# KiCad board PCA20073_nRF54L15_Tiny_Board.kicad_pcb
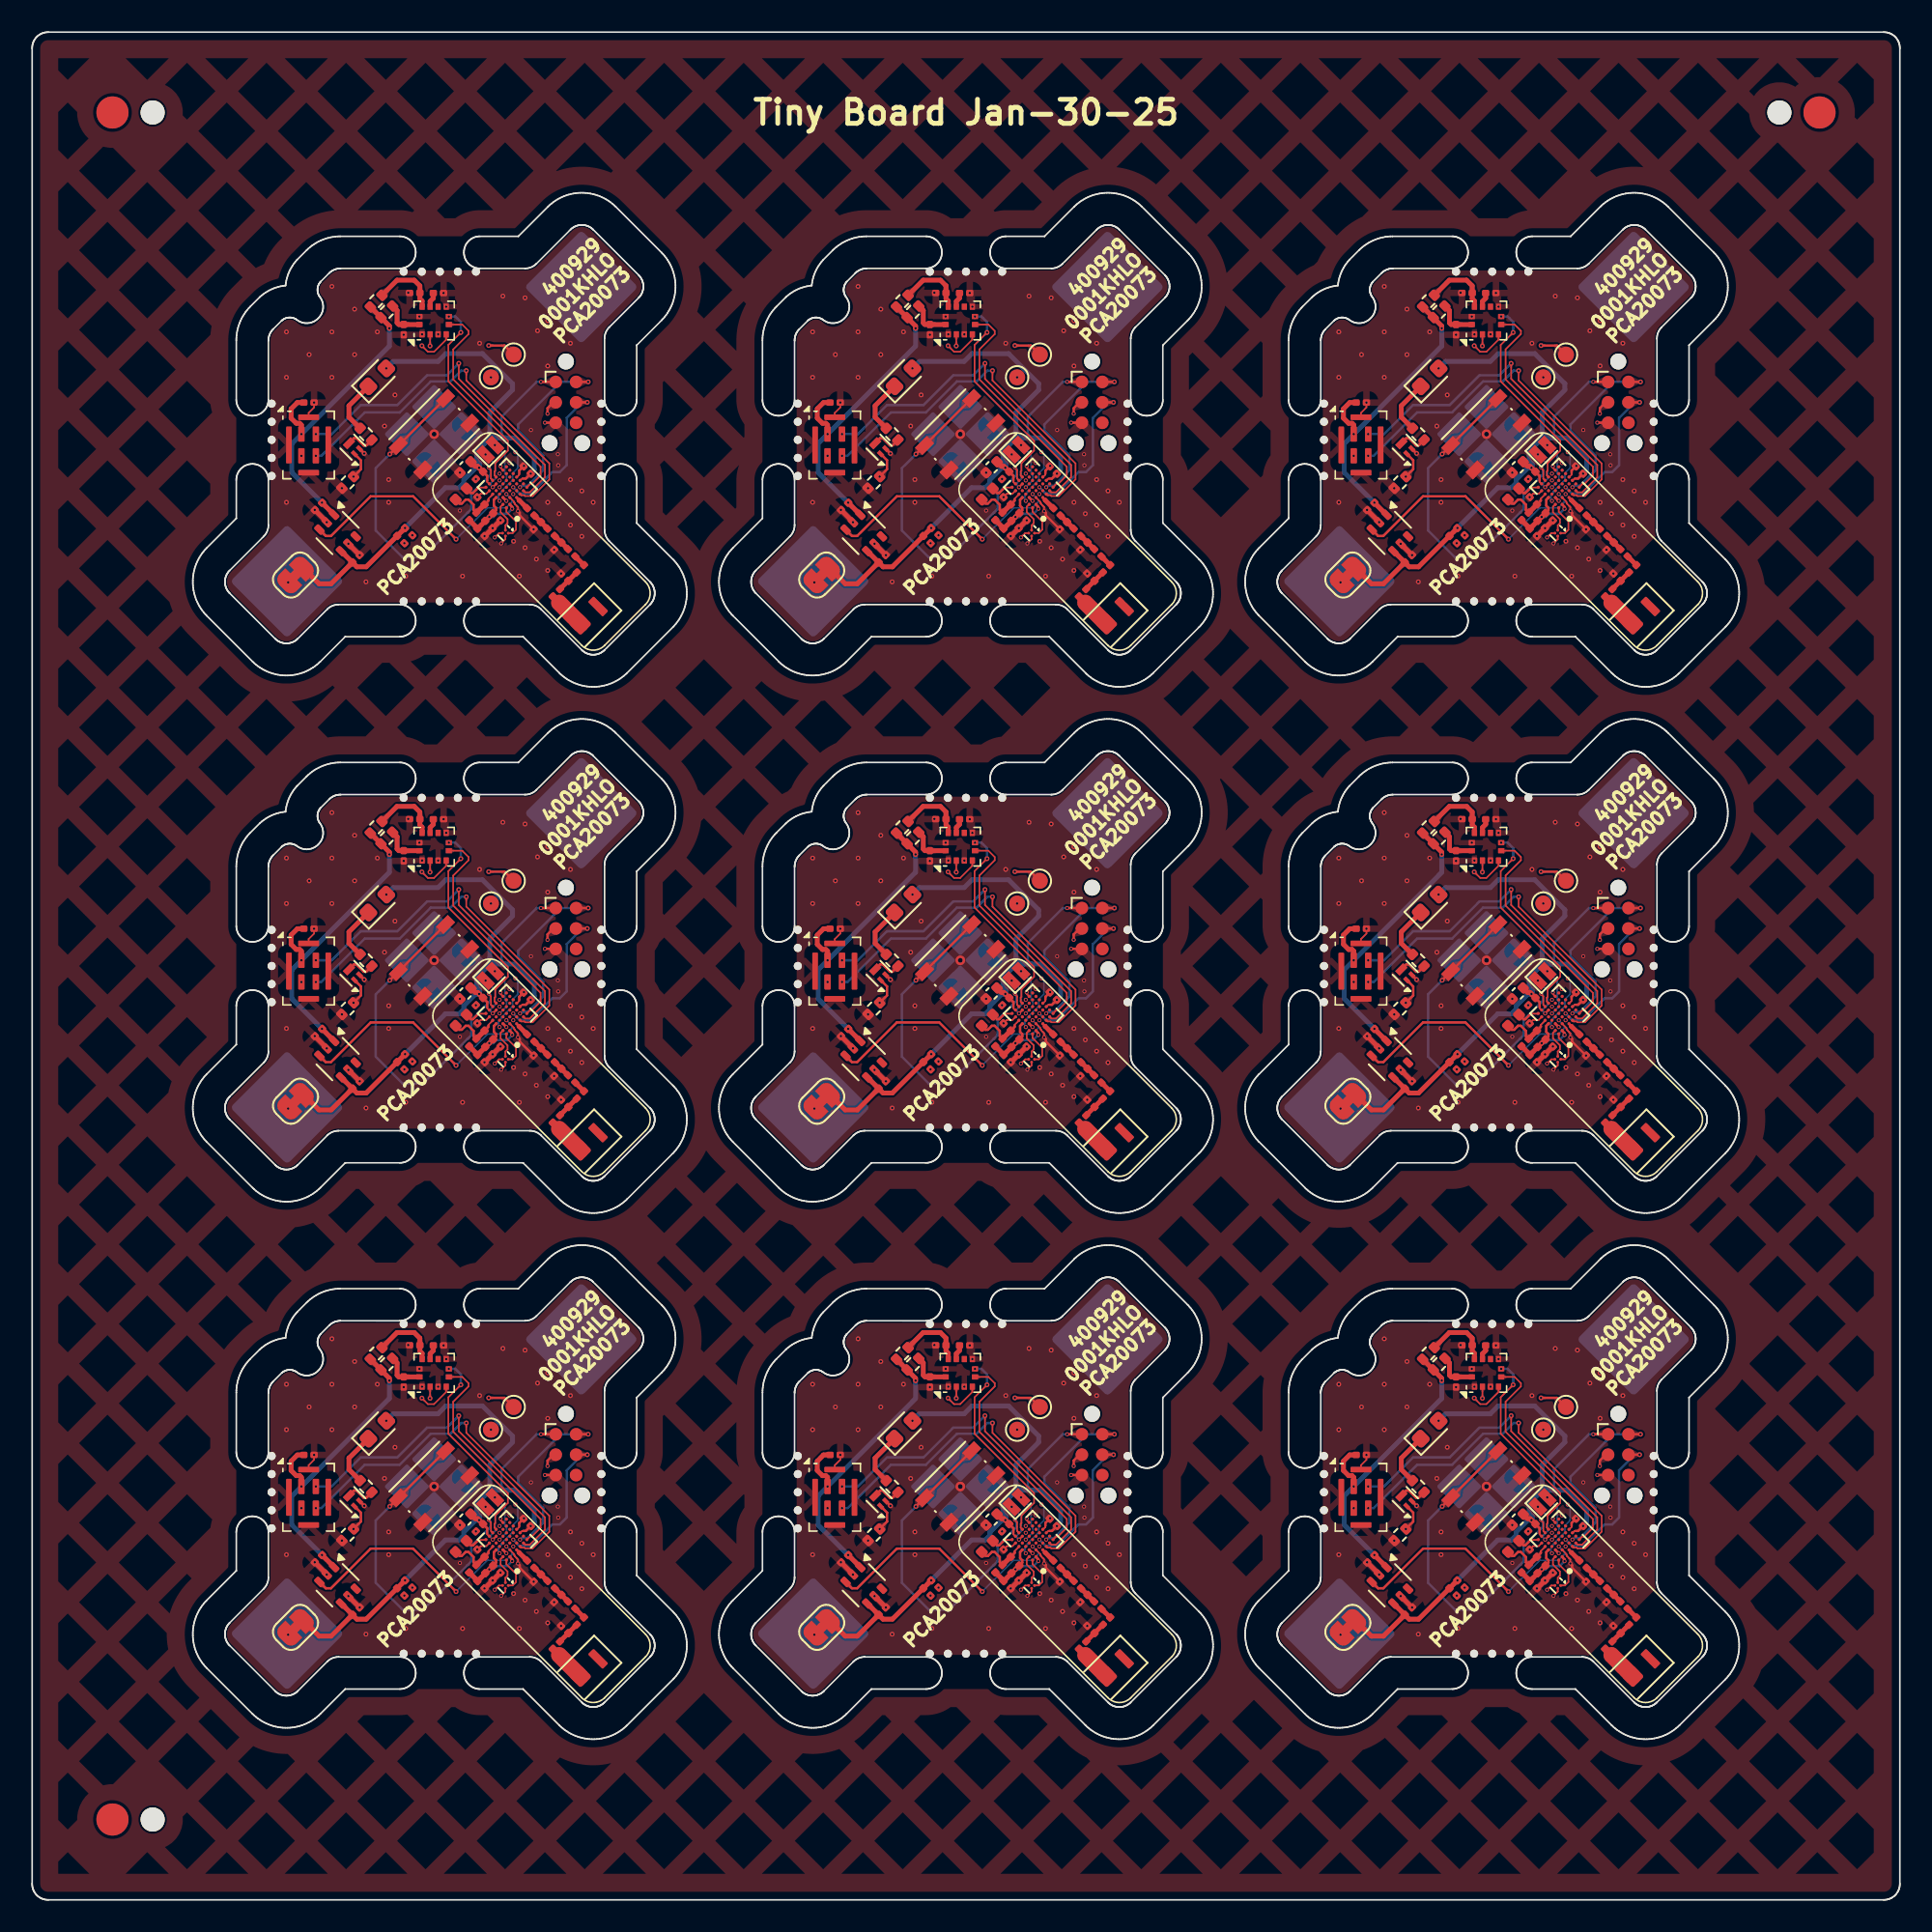
[diagram p0: board, top side]
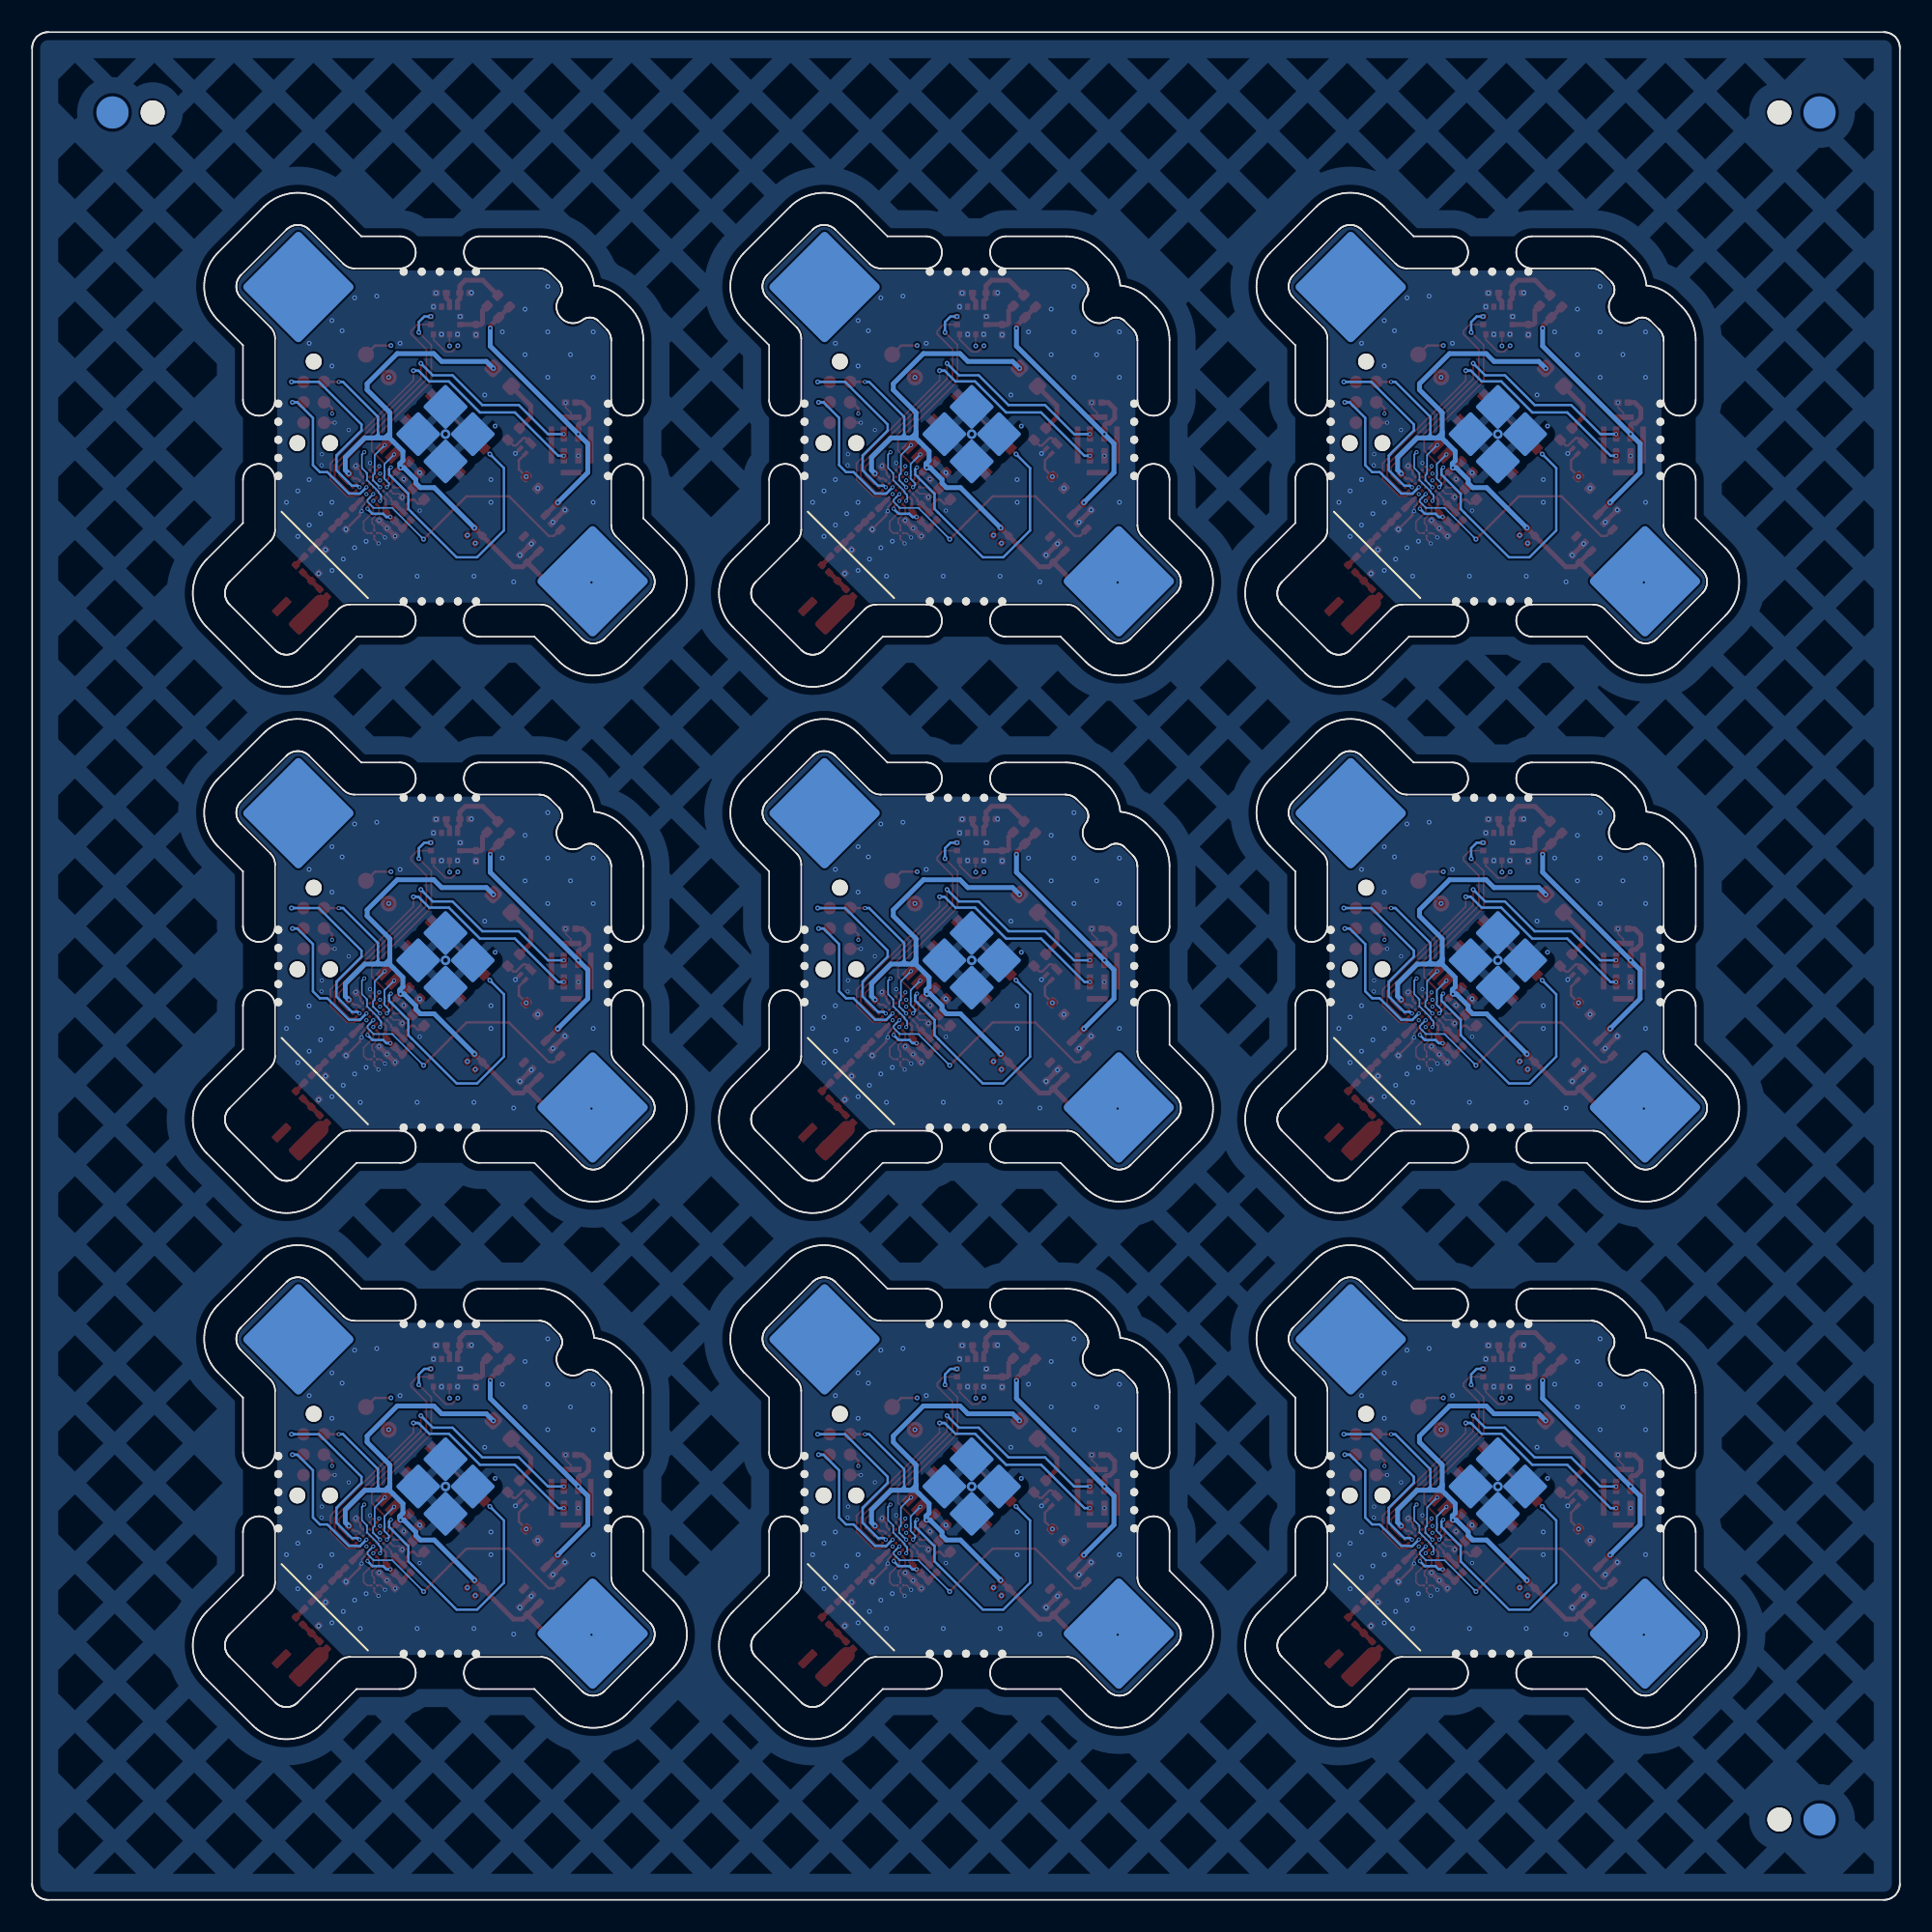
[diagram p1: board, bottom side, seen from below]

Outline 116.25 x 116.25 mm; copper layers: Top, In1.Cu, In2.Cu, Bottom. Coordinates in mm from the lower left corner of the outline.
Stack: Top 0.035mm / dielectric 0.1mm FR4 er 4.5 / In1.Cu 0.035mm / dielectric 1.24mm FR4 er 4.5 / In2.Cu 0.035mm / dielectric 0.1mm FR4 er 4.5 / Bottom 0.035mm

## Placement (name value [footprint] x y rotation side)
AE1  Antenna_Chip  [Ignion_NN02-101]  67.37 14.4 225 top
AE1#2  Antenna_Chip  [Ignion_NN02-101]  100.12 14.4 225 top
AE1#3  Antenna_Chip  [Ignion_NN02-101]  34.62 14.4 225 top
AE1#4  Antenna_Chip  [Ignion_NN02-101]  34.62 47.15 225 top
AE1#5  Antenna_Chip  [Ignion_NN02-101]  67.37 79.9 225 top
AE1#6  Antenna_Chip  [Ignion_NN02-101]  34.62 79.9 225 top
AE1#7  Antenna_Chip  [Ignion_NN02-101]  67.37 47.15 225 top
AE1#8  Antenna_Chip  [Ignion_NN02-101]  100.12 47.15 225 top
AE1#9  Antenna_Chip  [Ignion_NN02-101]  100.12 79.9 225 top
BT1  CR2032  [BatteryHolder_Multicomp_BC-2001_1x2032]  57.77 91.23 225 bottom
BT1#2  CR2032  [BatteryHolder_Multicomp_BC-2001_1x2032]  90.52 91.23 225 bottom
BT1#3  CR2032  [BatteryHolder_Multicomp_BC-2001_1x2032]  25.02 91.23 225 bottom
BT1#4  CR2032  [BatteryHolder_Multicomp_BC-2001_1x2032]  57.77 58.48 225 bottom
BT1#5  CR2032  [BatteryHolder_Multicomp_BC-2001_1x2032]  90.52 25.73 225 bottom
BT1#6  CR2032  [BatteryHolder_Multicomp_BC-2001_1x2032]  90.52 58.48 225 bottom
BT1#7  CR2032  [BatteryHolder_Multicomp_BC-2001_1x2032]  25.02 25.73 225 bottom
BT1#8  CR2032  [BatteryHolder_Multicomp_BC-2001_1x2032]  57.77 25.73 225 bottom
BT1#9  CR2032  [BatteryHolder_Multicomp_BC-2001_1x2032]  25.02 58.48 225 bottom
C1  2.2uF  [C_0201_0603Metric]  27.94 21.58 135 top
C1#2  2.2uF  [C_0201_0603Metric]  60.69 54.33 135 top
C1#3  2.2uF  [C_0201_0603Metric]  27.94 54.33 135 top
C1#4  2.2uF  [C_0201_0603Metric]  93.43 21.58 135 top
C1#5  2.2uF  [C_0201_0603Metric]  60.69 87.08 135 top
C1#6  2.2uF  [C_0201_0603Metric]  93.43 87.08 135 top
C1#7  2.2uF  [C_0201_0603Metric]  27.94 87.08 135 top
C1#8  2.2uF  [C_0201_0603Metric]  93.43 54.33 135 top
C1#9  2.2uF  [C_0201_0603Metric]  60.69 21.58 135 top
C2  2.2uF  [C_0201_0603Metric]  93.43 85.11 315 top
C2#2  2.2uF  [C_0201_0603Metric]  60.68 85.11 315 top
C2#3  2.2uF  [C_0201_0603Metric]  93.43 19.61 315 top
C2#4  2.2uF  [C_0201_0603Metric]  60.68 19.61 315 top
C2#5  2.2uF  [C_0201_0603Metric]  60.68 52.36 315 top
C2#6  2.2uF  [C_0201_0603Metric]  27.93 19.61 315 top
C2#7  2.2uF  [C_0201_0603Metric]  93.43 52.36 315 top
C2#8  2.2uF  [C_0201_0603Metric]  27.93 52.36 315 top
C2#9  2.2uF  [C_0201_0603Metric]  27.93 85.11 315 top
C3  100nF  [C_0201_0603Metric]  20.16 17.97 45 top
C3#2  100nF  [C_0201_0603Metric]  85.66 17.97 45 top
C3#3  100nF  [C_0201_0603Metric]  20.16 83.47 45 top
C3#4  100nF  [C_0201_0603Metric]  52.91 17.97 45 top
C3#5  100nF  [C_0201_0603Metric]  85.66 83.47 45 top
C3#6  100nF  [C_0201_0603Metric]  52.91 50.72 45 top
C3#7  100nF  [C_0201_0603Metric]  20.16 50.72 45 top
C3#8  100nF  [C_0201_0603Metric]  85.66 50.72 45 top
C3#9  100nF  [C_0201_0603Metric]  52.91 83.47 45 top
C4  100nF  [C_0201_0603Metric]  50.56 86.73 225 top
C4#2  100nF  [C_0201_0603Metric]  17.82 86.73 225 top
C4#3  100nF  [C_0201_0603Metric]  17.82 21.24 225 top
C4#4  100nF  [C_0201_0603Metric]  50.56 53.99 225 top
C4#5  100nF  [C_0201_0603Metric]  83.31 21.24 225 top
C4#6  100nF  [C_0201_0603Metric]  17.82 53.99 225 top
C4#7  100nF  [C_0201_0603Metric]  83.31 53.99 225 top
C4#8  100nF  [C_0201_0603Metric]  50.56 21.24 225 top
C4#9  100nF  [C_0201_0603Metric]  83.31 86.73 225 top
C5  3.9pF  [C_0201_0603Metric]  28.93 86.09 315 top
C5#2  3.9pF  [C_0201_0603Metric]  61.68 53.34 315 top
C5#3  3.9pF  [C_0201_0603Metric]  61.68 86.09 315 top
C5#4  3.9pF  [C_0201_0603Metric]  28.93 20.59 315 top
C5#5  3.9pF  [C_0201_0603Metric]  28.93 53.34 315 top
C5#6  3.9pF  [C_0201_0603Metric]  94.42 86.09 315 top
C5#7  3.9pF  [C_0201_0603Metric]  94.42 53.34 315 top
C5#8  3.9pF  [C_0201_0603Metric]  94.42 20.59 315 top
C5#9  3.9pF  [C_0201_0603Metric]  61.68 20.59 315 top
C6  1.2pF  [C_0201_0603Metric]  96.94 52.78 225 top
C6#2  1.2pF  [C_0201_0603Metric]  96.94 85.53 225 top
C6#3  1.2pF  [C_0201_0603Metric]  64.19 20.03 225 top
C6#4  1.2pF  [C_0201_0603Metric]  31.44 85.53 225 top
C6#5  1.2pF  [C_0201_0603Metric]  31.44 20.03 225 top
C6#6  1.2pF  [C_0201_0603Metric]  96.94 20.03 225 top
C6#7  1.2pF  [C_0201_0603Metric]  64.19 85.53 225 top
C6#8  1.2pF  [C_0201_0603Metric]  64.19 52.78 225 top
C6#9  1.2pF  [C_0201_0603Metric]  31.44 52.78 225 top
C8  100nF  [C_0201_0603Metric]  30.81 56.24 135 top
C8#2  100nF  [C_0201_0603Metric]  63.55 56.24 135 top
C8#3  100nF  [C_0201_0603Metric]  63.55 88.99 135 top
C8#4  100nF  [C_0201_0603Metric]  30.81 23.49 135 top
C8#5  100nF  [C_0201_0603Metric]  96.3 56.24 135 top
C8#6  100nF  [C_0201_0603Metric]  30.81 88.99 135 top
C8#7  100nF  [C_0201_0603Metric]  96.3 23.49 135 top
C8#8  100nF  [C_0201_0603Metric]  96.3 88.99 135 top
C8#9  100nF  [C_0201_0603Metric]  63.55 23.49 135 top
C9  1.2pF  [C_0201_0603Metric]  65.46 51.5 225 top
C9#2  1.2pF  [C_0201_0603Metric]  32.71 18.76 225 top
C9#3  1.2pF  [C_0201_0603Metric]  65.46 18.76 225 top
C9#4  1.2pF  [C_0201_0603Metric]  65.46 84.25 225 top
C9#5  1.2pF  [C_0201_0603Metric]  98.21 51.5 225 top
C9#6  1.2pF  [C_0201_0603Metric]  32.71 51.5 225 top
C9#7  1.2pF  [C_0201_0603Metric]  32.71 84.25 225 top
C9#8  1.2pF  [C_0201_0603Metric]  98.21 84.25 225 top
C9#9  1.2pF  [C_0201_0603Metric]  98.21 18.76 225 top
C10  10uF  [C_0402_1005Metric]  59.71 23.67 225 top
C10#2  10uF  [C_0402_1005Metric]  26.97 23.67 225 top
C10#3  10uF  [C_0402_1005Metric]  92.46 56.42 225 top
C10#4  10uF  [C_0402_1005Metric]  26.97 56.42 225 top
C10#5  10uF  [C_0402_1005Metric]  92.46 89.17 225 top
C10#6  10uF  [C_0402_1005Metric]  59.71 56.42 225 top
C10#7  10uF  [C_0402_1005Metric]  92.46 23.67 225 top
C10#8  10uF  [C_0402_1005Metric]  26.97 89.17 225 top
C10#9  10uF  [C_0402_1005Metric]  59.71 89.17 225 top
C11  100nF  [C_0201_0603Metric]  27.84 88.66 225 top
C11#2  100nF  [C_0201_0603Metric]  93.34 88.66 225 top
C11#3  100nF  [C_0201_0603Metric]  93.34 55.91 225 top
C11#4  100nF  [C_0201_0603Metric]  60.59 55.91 225 top
C11#5  100nF  [C_0201_0603Metric]  60.59 88.66 225 top
C11#6  100nF  [C_0201_0603Metric]  27.84 23.16 225 top
C11#7  100nF  [C_0201_0603Metric]  27.84 55.91 225 top
C11#8  100nF  [C_0201_0603Metric]  93.34 23.16 225 top
C11#9  100nF  [C_0201_0603Metric]  60.59 23.16 225 top
C12  10nF  [C_0201_0603Metric]  28.42 85.6 315 top
C12#2  10nF  [C_0201_0603Metric]  28.42 20.1 315 top
C12#3  10nF  [C_0201_0603Metric]  28.42 52.85 315 top
C12#4  10nF  [C_0201_0603Metric]  93.92 85.6 315 top
C12#5  10nF  [C_0201_0603Metric]  61.17 52.85 315 top
C12#6  10nF  [C_0201_0603Metric]  93.92 20.1 315 top
C12#7  10nF  [C_0201_0603Metric]  61.17 85.6 315 top
C12#8  10nF  [C_0201_0603Metric]  61.17 20.1 315 top
C12#9  10nF  [C_0201_0603Metric]  93.92 52.85 315 top
C15  0.22uF  [C_0201_0603Metric]  90.79 34.51 0 top
C15#2  0.22uF  [C_0201_0603Metric]  90.79 100.01 0 top
C15#3  0.22uF  [C_0201_0603Metric]  25.29 67.26 0 top
C15#4  0.22uF  [C_0201_0603Metric]  25.29 34.51 0 top
C15#5  0.22uF  [C_0201_0603Metric]  25.29 100.01 0 top
C15#6  0.22uF  [C_0201_0603Metric]  58.04 100.01 0 top
C15#7  0.22uF  [C_0201_0603Metric]  58.04 34.51 0 top
C15#8  0.22uF  [C_0201_0603Metric]  58.04 67.26 0 top
C15#9  0.22uF  [C_0201_0603Metric]  90.79 67.26 0 top
C16  100nF  [C_0201_0603Metric]  88.62 64.98 270 top
C16#2  100nF  [C_0201_0603Metric]  55.87 64.98 270 top
C16#3  100nF  [C_0201_0603Metric]  23.13 32.23 270 top
C16#4  100nF  [C_0201_0603Metric]  55.87 97.73 270 top
C16#5  100nF  [C_0201_0603Metric]  23.13 64.98 270 top
C16#6  100nF  [C_0201_0603Metric]  88.62 97.73 270 top
C16#7  100nF  [C_0201_0603Metric]  23.13 97.73 270 top
C16#8  100nF  [C_0201_0603Metric]  88.62 32.23 270 top
C16#9  100nF  [C_0201_0603Metric]  55.87 32.23 270 top
C17  100nF  [C_0201_0603Metric]  23.81 67.27 180 top
C17#2  100nF  [C_0201_0603Metric]  23.81 34.52 180 top
C17#3  100nF  [C_0201_0603Metric]  89.31 34.52 180 top
C17#4  100nF  [C_0201_0603Metric]  89.31 67.27 180 top
C17#5  100nF  [C_0201_0603Metric]  56.56 100.01 180 top
C17#6  100nF  [C_0201_0603Metric]  23.81 100.01 180 top
C17#7  100nF  [C_0201_0603Metric]  56.56 67.27 180 top
C17#8  100nF  [C_0201_0603Metric]  56.56 34.52 180 top
C17#9  100nF  [C_0201_0603Metric]  89.31 100.01 180 top
C20  2.2uF  [C_0201_0603Metric]  17.23 27.69 0 top
C20#2  2.2uF  [C_0201_0603Metric]  82.73 60.44 0 top
C20#3  2.2uF  [C_0201_0603Metric]  82.73 93.19 0 top
C20#4  2.2uF  [C_0201_0603Metric]  49.98 93.19 0 top
C20#5  2.2uF  [C_0201_0603Metric]  49.98 27.69 0 top
C20#6  2.2uF  [C_0201_0603Metric]  17.23 60.44 0 top
C20#7  2.2uF  [C_0201_0603Metric]  49.98 60.44 0 top
C20#8  2.2uF  [C_0201_0603Metric]  82.73 27.69 0 top
C20#9  2.2uF  [C_0201_0603Metric]  17.23 93.19 0 top
D1  LB Q39E  [LED_0603_1608Metric]  54.23 29.26 45 top
D1#2  LB Q39E  [LED_0603_1608Metric]  54.23 94.76 45 top
D1#3  LB Q39E  [LED_0603_1608Metric]  86.98 62.01 45 top
D1#4  LB Q39E  [LED_0603_1608Metric]  21.48 62.01 45 top
D1#5  LB Q39E  [LED_0603_1608Metric]  21.48 29.26 45 top
D1#6  LB Q39E  [LED_0603_1608Metric]  21.48 94.76 45 top
D1#7  LB Q39E  [LED_0603_1608Metric]  86.98 29.26 45 top
D1#8  LB Q39E  [LED_0603_1608Metric]  86.98 94.76 45 top
D1#9  LB Q39E  [LED_0603_1608Metric]  54.23 62.01 45 top
FB1  100R  [C_0201_0603Metric]  60.17 86.11 45 top
FB1#2  100R  [C_0201_0603Metric]  92.92 20.61 45 top
FB1#3  100R  [C_0201_0603Metric]  60.17 53.36 45 top
FB1#4  100R  [C_0201_0603Metric]  27.42 53.36 45 top
FB1#5  100R  [C_0201_0603Metric]  60.17 20.61 45 top
FB1#6  100R  [C_0201_0603Metric]  92.92 53.36 45 top
FB1#7  100R  [C_0201_0603Metric]  27.42 20.61 45 top
FB1#8  100R  [C_0201_0603Metric]  92.92 86.11 45 top
FB1#9  100R  [C_0201_0603Metric]  27.42 86.11 45 top
J1  Conn_ARM_SWD_TagConnect_TC2030-NL  [Tag-Connect_TC2030-IDC-NL_2x03_P1.27mm_Vertical]  65.97 93.2 270 top  (not fitted)
J1#2  Conn_ARM_SWD_TagConnect_TC2030-NL  [Tag-Connect_TC2030-IDC-NL_2x03_P1.27mm_Vertical]  98.72 60.46 270 top  (not fitted)
J1#3  Conn_ARM_SWD_TagConnect_TC2030-NL  [Tag-Connect_TC2030-IDC-NL_2x03_P1.27mm_Vertical]  33.22 27.71 270 top  (not fitted)
J1#4  Conn_ARM_SWD_TagConnect_TC2030-NL  [Tag-Connect_TC2030-IDC-NL_2x03_P1.27mm_Vertical]  33.22 60.46 270 top  (not fitted)
J1#5  Conn_ARM_SWD_TagConnect_TC2030-NL  [Tag-Connect_TC2030-IDC-NL_2x03_P1.27mm_Vertical]  98.72 27.71 270 top  (not fitted)
J1#6  Conn_ARM_SWD_TagConnect_TC2030-NL  [Tag-Connect_TC2030-IDC-NL_2x03_P1.27mm_Vertical]  98.72 93.2 270 top  (not fitted)
J1#7  Conn_ARM_SWD_TagConnect_TC2030-NL  [Tag-Connect_TC2030-IDC-NL_2x03_P1.27mm_Vertical]  33.22 93.2 270 top  (not fitted)
J1#8  Conn_ARM_SWD_TagConnect_TC2030-NL  [Tag-Connect_TC2030-IDC-NL_2x03_P1.27mm_Vertical]  65.97 27.71 270 top  (not fitted)
J1#9  Conn_ARM_SWD_TagConnect_TC2030-NL  [Tag-Connect_TC2030-IDC-NL_2x03_P1.27mm_Vertical]  65.97 60.46 270 top  (not fitted)
JP1  Jumper_2_Small_Bridged  [SolderJumper-2_P1.3mm_Bridged_RoundedPad1.0x1.5mm]  49.14 16.96 45 top  (not fitted)
JP1#2  Jumper_2_Small_Bridged  [SolderJumper-2_P1.3mm_Bridged_RoundedPad1.0x1.5mm]  16.39 16.96 45 top  (not fitted)
JP1#3  Jumper_2_Small_Bridged  [SolderJumper-2_P1.3mm_Bridged_RoundedPad1.0x1.5mm]  49.14 82.46 45 top  (not fitted)
JP1#4  Jumper_2_Small_Bridged  [SolderJumper-2_P1.3mm_Bridged_RoundedPad1.0x1.5mm]  81.89 16.96 45 top  (not fitted)
JP1#5  Jumper_2_Small_Bridged  [SolderJumper-2_P1.3mm_Bridged_RoundedPad1.0x1.5mm]  81.89 49.71 45 top  (not fitted)
JP1#6  Jumper_2_Small_Bridged  [SolderJumper-2_P1.3mm_Bridged_RoundedPad1.0x1.5mm]  16.39 49.71 45 top  (not fitted)
JP1#7  Jumper_2_Small_Bridged  [SolderJumper-2_P1.3mm_Bridged_RoundedPad1.0x1.5mm]  16.39 82.46 45 top  (not fitted)
JP1#8  Jumper_2_Small_Bridged  [SolderJumper-2_P1.3mm_Bridged_RoundedPad1.0x1.5mm]  49.14 49.71 45 top  (not fitted)
JP1#9  Jumper_2_Small_Bridged  [SolderJumper-2_P1.3mm_Bridged_RoundedPad1.0x1.5mm]  81.89 82.46 45 top  (not fitted)
JP2  Jumper_2_Small_Bridged  [R_0402_1005Metric]  54.82 98.84 225 top
JP2#2  Jumper_2_Small_Bridged  [R_0402_1005Metric]  87.57 33.34 225 top
JP2#3  Jumper_2_Small_Bridged  [R_0402_1005Metric]  22.07 98.84 225 top
JP2#4  Jumper_2_Small_Bridged  [R_0402_1005Metric]  22.07 66.09 225 top
JP2#5  Jumper_2_Small_Bridged  [R_0402_1005Metric]  54.82 33.34 225 top
JP2#6  Jumper_2_Small_Bridged  [R_0402_1005Metric]  87.57 66.09 225 top
JP2#7  Jumper_2_Small_Bridged  [R_0402_1005Metric]  87.57 98.84 225 top
JP2#8  Jumper_2_Small_Bridged  [R_0402_1005Metric]  22.07 33.34 225 top
JP2#9  Jumper_2_Small_Bridged  [R_0402_1005Metric]  54.82 66.09 225 top
JP3  Jumper_2_Small_Bridged  [R_0402_1005Metric]  54.16 66.76 225 top
JP3#2  Jumper_2_Small_Bridged  [R_0402_1005Metric]  86.9 34.01 225 top
JP3#3  Jumper_2_Small_Bridged  [R_0402_1005Metric]  86.9 99.51 225 top
JP3#4  Jumper_2_Small_Bridged  [R_0402_1005Metric]  21.41 99.51 225 top
JP3#5  Jumper_2_Small_Bridged  [R_0402_1005Metric]  21.41 34.01 225 top
JP3#6  Jumper_2_Small_Bridged  [R_0402_1005Metric]  54.16 34.01 225 top
JP3#7  Jumper_2_Small_Bridged  [R_0402_1005Metric]  21.41 66.76 225 top
JP3#8  Jumper_2_Small_Bridged  [R_0402_1005Metric]  86.9 66.76 225 top
JP3#9  Jumper_2_Small_Bridged  [R_0402_1005Metric]  54.16 99.51 225 top
KiKit_FID_B_1  -  [Fiducial]  5 111.25 180 bottom
KiKit_FID_B_2  -  [Fiducial]  111.25 111.25 180 bottom
KiKit_FID_B_3  -  [Fiducial]  5 5 180 bottom
KiKit_FID_T_1  -  [Fiducial]  5 111.25 0 top
KiKit_FID_T_2  -  [Fiducial]  111.25 111.25 0 top
KiKit_FID_T_3  -  [Fiducial]  5 5 0 top
KiKit_MB_1_1  -  [NPTH]  14.91 88.62 0 top
KiKit_MB_1_2  -  [NPTH]  14.91 89.75 0 top
KiKit_MB_1_3  -  [NPTH]  14.91 90.87 0 top
KiKit_MB_1_4  -  [NPTH]  14.91 92 0 top
KiKit_MB_1_5  -  [NPTH]  14.91 93.12 0 top
KiKit_MB_2_1  -  [NPTH]  35.43 93.12 0 top
KiKit_MB_2_2  -  [NPTH]  35.43 92 0 top
KiKit_MB_2_3  -  [NPTH]  35.43 90.87 0 top
KiKit_MB_2_4  -  [NPTH]  35.43 89.75 0 top
KiKit_MB_2_5  -  [NPTH]  35.43 88.62 0 top
KiKit_MB_3_1  -  [NPTH]  23.12 101.34 0 top
KiKit_MB_3_2  -  [NPTH]  24.25 101.34 0 top
KiKit_MB_3_3  -  [NPTH]  25.37 101.34 0 top
KiKit_MB_3_4  -  [NPTH]  26.5 101.34 0 top
KiKit_MB_3_5  -  [NPTH]  27.62 101.34 0 top
KiKit_MB_4_1  -  [NPTH]  27.62 80.82 0 top
KiKit_MB_4_2  -  [NPTH]  26.5 80.82 0 top
KiKit_MB_4_3  -  [NPTH]  25.37 80.82 0 top
KiKit_MB_4_4  -  [NPTH]  24.25 80.82 0 top
KiKit_MB_4_5  -  [NPTH]  23.12 80.82 0 top
KiKit_MB_5_1  -  [NPTH]  47.66 88.62 0 top
KiKit_MB_5_2  -  [NPTH]  47.66 89.75 0 top
KiKit_MB_5_3  -  [NPTH]  47.66 90.87 0 top
KiKit_MB_5_4  -  [NPTH]  47.66 92 0 top
KiKit_MB_5_5  -  [NPTH]  47.66 93.12 0 top
KiKit_MB_6_1  -  [NPTH]  68.18 93.12 0 top
KiKit_MB_6_2  -  [NPTH]  68.18 92 0 top
KiKit_MB_6_3  -  [NPTH]  68.18 90.87 0 top
KiKit_MB_6_4  -  [NPTH]  68.18 89.75 0 top
KiKit_MB_6_5  -  [NPTH]  68.18 88.62 0 top
KiKit_MB_7_1  -  [NPTH]  55.87 101.34 0 top
KiKit_MB_7_2  -  [NPTH]  57 101.34 0 top
KiKit_MB_7_3  -  [NPTH]  58.12 101.34 0 top
KiKit_MB_7_4  -  [NPTH]  59.25 101.34 0 top
KiKit_MB_7_5  -  [NPTH]  60.37 101.34 0 top
KiKit_MB_8_1  -  [NPTH]  60.37 80.82 0 top
KiKit_MB_8_2  -  [NPTH]  59.25 80.82 0 top
KiKit_MB_8_3  -  [NPTH]  58.12 80.82 0 top
KiKit_MB_8_4  -  [NPTH]  57 80.82 0 top
KiKit_MB_8_5  -  [NPTH]  55.87 80.82 0 top
KiKit_MB_9_1  -  [NPTH]  80.4 88.62 0 top
KiKit_MB_9_2  -  [NPTH]  80.4 89.75 0 top
KiKit_MB_9_3  -  [NPTH]  80.4 90.87 0 top
KiKit_MB_9_4  -  [NPTH]  80.4 92 0 top
KiKit_MB_9_5  -  [NPTH]  80.4 93.12 0 top
KiKit_MB_10_1  -  [NPTH]  100.92 93.12 0 top
KiKit_MB_10_2  -  [NPTH]  100.92 92 0 top
KiKit_MB_10_3  -  [NPTH]  100.92 90.87 0 top
KiKit_MB_10_4  -  [NPTH]  100.92 89.75 0 top
KiKit_MB_10_5  -  [NPTH]  100.92 88.62 0 top
KiKit_MB_11_1  -  [NPTH]  88.62 101.34 0 top
KiKit_MB_11_2  -  [NPTH]  89.75 101.34 0 top
KiKit_MB_11_3  -  [NPTH]  90.87 101.34 0 top
KiKit_MB_11_4  -  [NPTH]  92 101.34 0 top
KiKit_MB_11_5  -  [NPTH]  93.12 101.34 0 top
KiKit_MB_12_1  -  [NPTH]  93.12 80.82 0 top
KiKit_MB_12_2  -  [NPTH]  92 80.82 0 top
KiKit_MB_12_3  -  [NPTH]  90.87 80.82 0 top
KiKit_MB_12_4  -  [NPTH]  89.75 80.82 0 top
KiKit_MB_12_5  -  [NPTH]  88.62 80.82 0 top
KiKit_MB_13_1  -  [NPTH]  14.91 55.87 0 top
KiKit_MB_13_2  -  [NPTH]  14.91 57 0 top
KiKit_MB_13_3  -  [NPTH]  14.91 58.12 0 top
KiKit_MB_13_4  -  [NPTH]  14.91 59.25 0 top
KiKit_MB_13_5  -  [NPTH]  14.91 60.37 0 top
KiKit_MB_14_1  -  [NPTH]  35.43 60.37 0 top
KiKit_MB_14_2  -  [NPTH]  35.43 59.25 0 top
KiKit_MB_14_3  -  [NPTH]  35.43 58.12 0 top
KiKit_MB_14_4  -  [NPTH]  35.43 57 0 top
KiKit_MB_14_5  -  [NPTH]  35.43 55.87 0 top
KiKit_MB_15_1  -  [NPTH]  23.12 68.59 0 top
KiKit_MB_15_2  -  [NPTH]  24.25 68.59 0 top
KiKit_MB_15_3  -  [NPTH]  25.37 68.59 0 top
KiKit_MB_15_4  -  [NPTH]  26.5 68.59 0 top
KiKit_MB_15_5  -  [NPTH]  27.62 68.59 0 top
KiKit_MB_16_1  -  [NPTH]  27.62 48.07 0 top
KiKit_MB_16_2  -  [NPTH]  26.5 48.07 0 top
KiKit_MB_16_3  -  [NPTH]  25.37 48.07 0 top
KiKit_MB_16_4  -  [NPTH]  24.25 48.07 0 top
KiKit_MB_16_5  -  [NPTH]  23.12 48.07 0 top
KiKit_MB_17_1  -  [NPTH]  47.66 55.87 0 top
KiKit_MB_17_2  -  [NPTH]  47.66 57 0 top
KiKit_MB_17_3  -  [NPTH]  47.66 58.12 0 top
KiKit_MB_17_4  -  [NPTH]  47.66 59.25 0 top
KiKit_MB_17_5  -  [NPTH]  47.66 60.37 0 top
KiKit_MB_18_1  -  [NPTH]  68.18 60.37 0 top
KiKit_MB_18_2  -  [NPTH]  68.18 59.25 0 top
KiKit_MB_18_3  -  [NPTH]  68.18 58.12 0 top
KiKit_MB_18_4  -  [NPTH]  68.18 57 0 top
KiKit_MB_18_5  -  [NPTH]  68.18 55.87 0 top
KiKit_MB_19_1  -  [NPTH]  55.87 68.59 0 top
KiKit_MB_19_2  -  [NPTH]  57 68.59 0 top
KiKit_MB_19_3  -  [NPTH]  58.12 68.59 0 top
KiKit_MB_19_4  -  [NPTH]  59.25 68.59 0 top
KiKit_MB_19_5  -  [NPTH]  60.37 68.59 0 top
KiKit_MB_20_1  -  [NPTH]  60.37 48.07 0 top
KiKit_MB_20_2  -  [NPTH]  59.25 48.07 0 top
KiKit_MB_20_3  -  [NPTH]  58.12 48.07 0 top
KiKit_MB_20_4  -  [NPTH]  57 48.07 0 top
KiKit_MB_20_5  -  [NPTH]  55.87 48.07 0 top
KiKit_MB_21_1  -  [NPTH]  80.4 55.87 0 top
KiKit_MB_21_2  -  [NPTH]  80.4 57 0 top
KiKit_MB_21_3  -  [NPTH]  80.4 58.12 0 top
KiKit_MB_21_4  -  [NPTH]  80.4 59.25 0 top
KiKit_MB_21_5  -  [NPTH]  80.4 60.37 0 top
KiKit_MB_22_1  -  [NPTH]  100.92 60.37 0 top
KiKit_MB_22_2  -  [NPTH]  100.92 59.25 0 top
KiKit_MB_22_3  -  [NPTH]  100.92 58.12 0 top
KiKit_MB_22_4  -  [NPTH]  100.92 57 0 top
KiKit_MB_22_5  -  [NPTH]  100.92 55.87 0 top
KiKit_MB_23_1  -  [NPTH]  88.62 68.59 0 top
KiKit_MB_23_2  -  [NPTH]  89.75 68.59 0 top